# KiCad board RUST_Motherboard.kicad_pcb (continued)
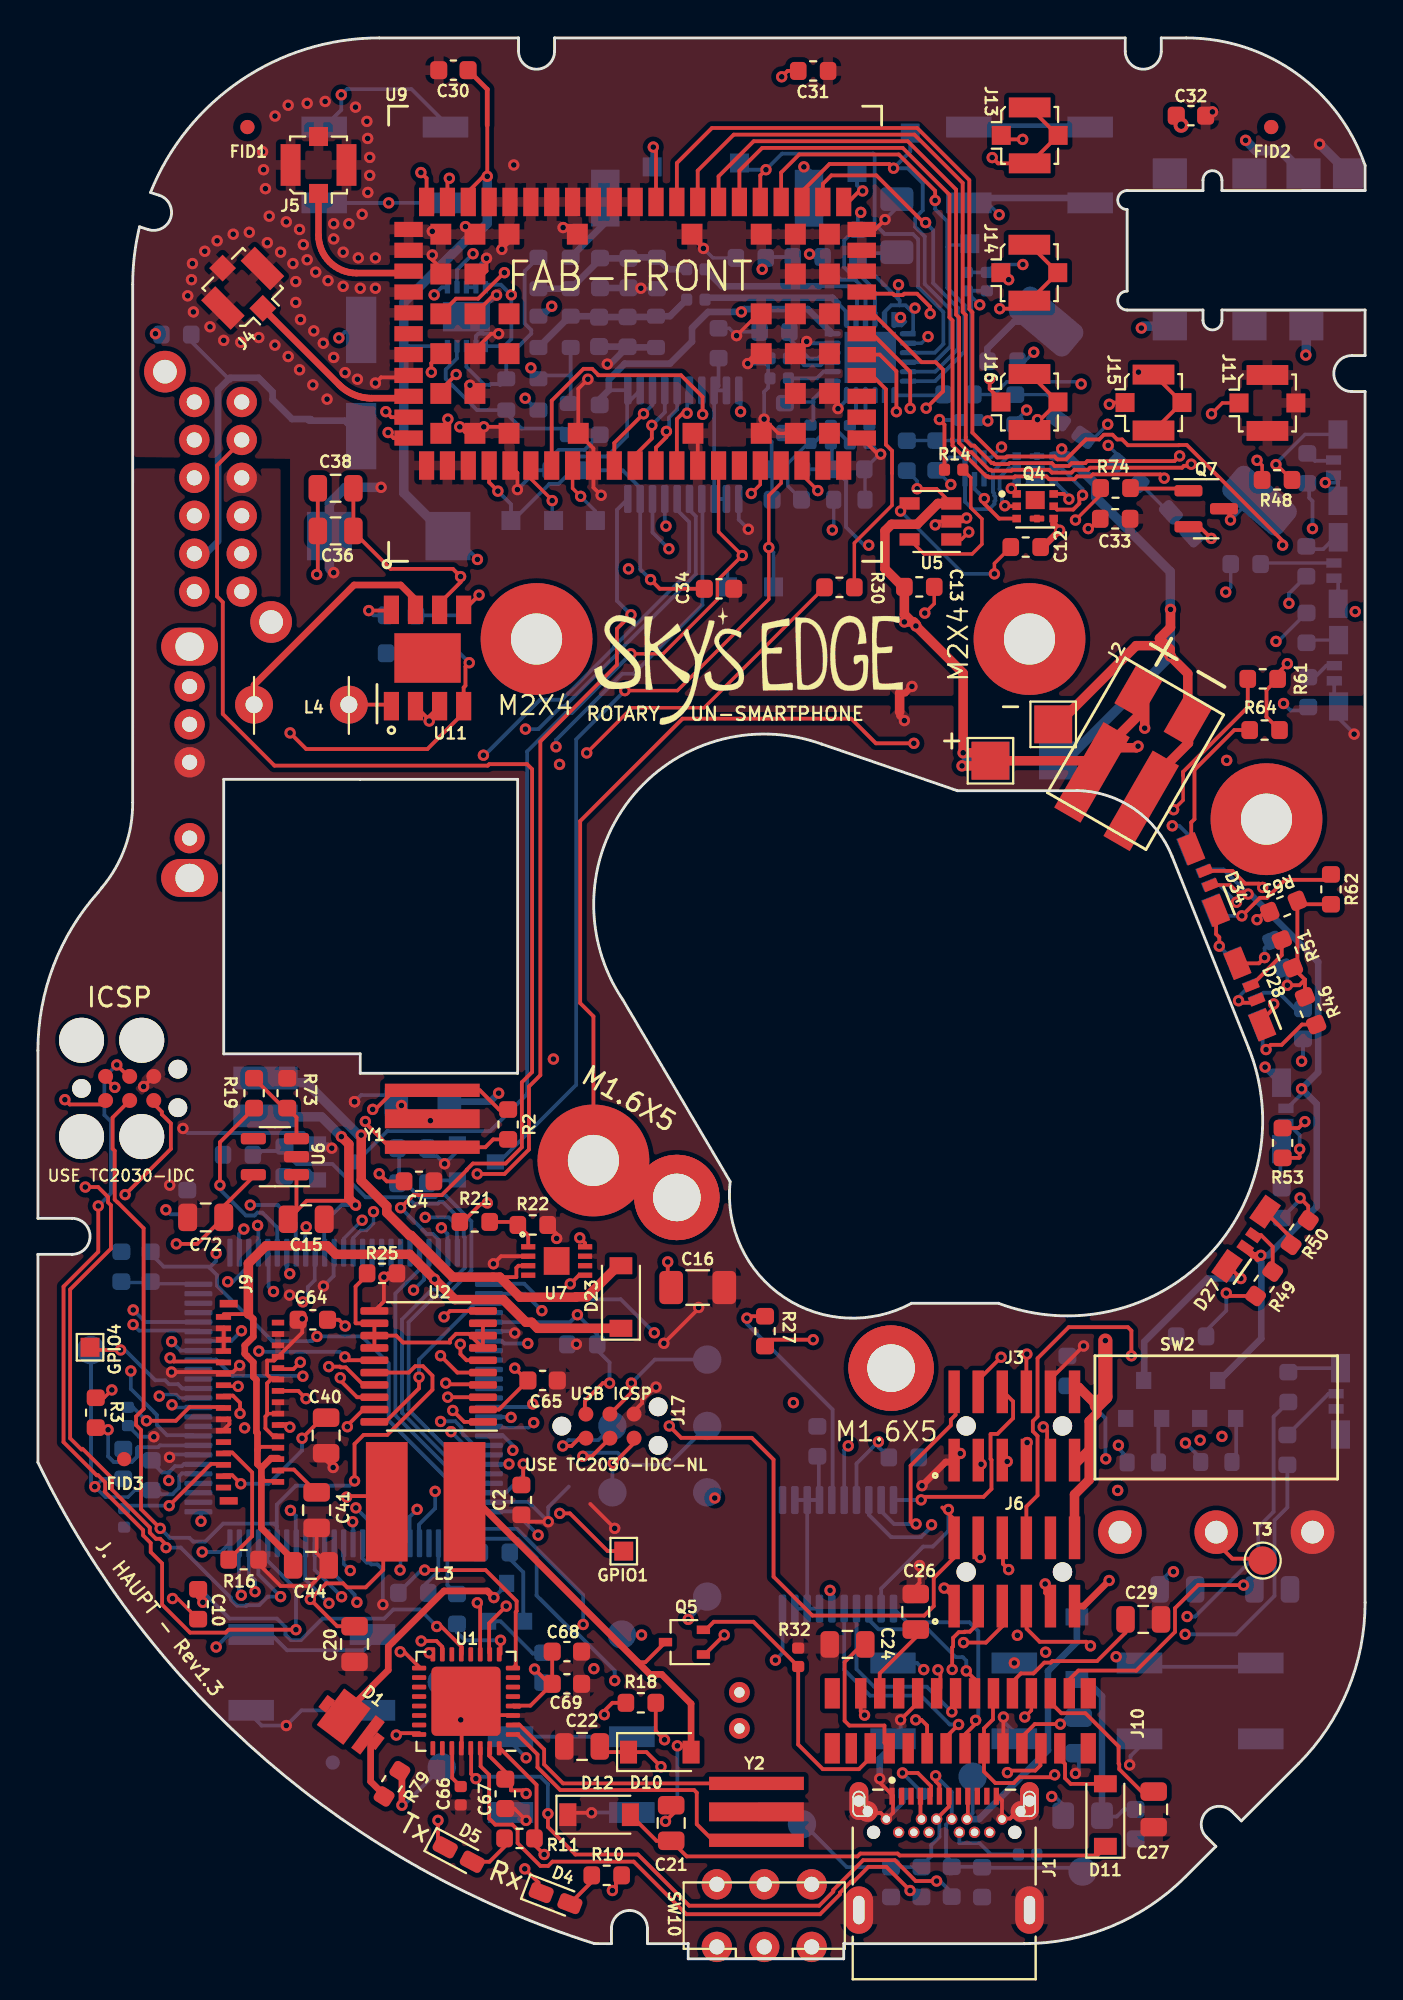
[diagram p0: board, top side]
## Routing (per net, layer and track width the routed paths; a pad name or vN(x,y) marks a point on that pad's centre or on a via; arc(x,y) is an arc through that point) (continued)
+3V3: length 113.7
  L1_GND+GNDA.Cu w0.2: 49.9,11.15 49.9,12.15 50.37,12.62 50.37,14.07 ; 48.35,23.15 47.7,23.8 ; v1(5.73,28.37) 7.28,28.37 8,29.1 9.8,29.1 ; 18.21,24.71 18.21,20.52 17.29,19.59 16.31,19.59 16.1,19.8 15.21,19.8 v1(14.37,18.96) 15.79,17.54 C20.2 ; v1(16.28,24.35) 16.33,24.4 18.02,24.4 ; U2.2 24.31,28.96 C65.1 ; 49.9,11.17 49.9,9.87 50.5,9.27 51.47,9.27 51.78,9.58 53.5,9.58 v1(53.62,9.7) ; v1(7.3,37.7) 8.4,37.7 C72.1 ; v1(13.29,28.04) 13.12,28.2 12.67,28.2 ; v1(33.3,28.1) 33.92,27.47 37.65,27.47 38.8,26.32 38.8,20.15 40.85,18.1 46.75,18.1 47.25,18.6 47.25,20.08 48.33,21.16 48.33,22.44 ; 9.8,39.69 11.36,41.25 ; 25.8,30.5 v1(25.15,31.15)
  L3_3v8+GNDA.Cu w0.2: v1(53.62,9.7) 53.62,10.4 53,11.02 53,16.02 v1(53.15,16.17)
  L4_GND.Cu w0.2: v1(39.85,29.33) 38.62,28.1 v1(33.3,28.1)
  L5_3v8.Cu w0.2: v1(10.9,28) 11.05,28.15 13.17,28.15 v1(13.29,28.04) ; v1(56.32,26.36) 56.3,26.39 51.8,26.39 51.4,26.79 50.87,26.79 50.29,26.21 50.29,25.85 48.13,23.69 v1(48.02,23.69) 48.11,23.69 50.43,21.38 50.43,17.42 51.7,16.15 53.13,16.15 v1(53.15,16.17)
  L6_GND.Cu w0.2: C43.2 5.01,29.08 v1(5.73,28.37) ; v1(56.32,26.36) 56.3,26.39 56.3,28.52 54.3,30.52 ; v1(48.02,23.69) 48.02,22.56 47.2,21.74 46.69,21.74 44.48,19.53 U8.2
+3V8: length 166
  L1_GND+GNDA.Cu w0.18: v1(55.4,75.42) 55.52,75.42 C33.1
  L1_GND+GNDA.Cu w0.2: v1(65.9,51.34) 66.54,51.34 66.83,51.63 ; v1(16.75,39.75) 16.8,39.7 16.52,39.97 14.17,39.97 C15.1 13.64,39.44 13.64,41.25 ; 66.83,51.63 R51.2 ; 66.83,51.63 R46.2 ; v1(16.2,33.37) 15.88,33.7 C64.1 ; 33.22,35.78 v1(33.22,36.75) ; 30.48,4.4 30.48,3.78 v1(30.3,3.6) ; 25.4,13.35 25.4,13.3 25.12,13.3 25.08,13.35 25.98,13.35 C69.1 C68.1 ; v1(66.83,44.15) 66.49,43.81 R53.2 ; v1(21.7,93.9) 21.6,93.8 U9.52 ; v1(32.31,72.73) 32.8,72.25 C34.1 ; v1(18,41.4) 18.4,41 C4.1 ; v1(28.08,35.59) 28.54,36.05 U7.5 ; 26.3,6.5 26.3,9.17 24.35,11.12 ; 22.7,93.2 23.5,94 v1(23.7,94) 23.7,96.7 ; R18.2 32.59,12.01 v1(33.05,11.55) ; C31.1 39.54,99.56 v1(39.23,99.25) ; R64.2 64.8,65.49 64.8,66.91 R61.2 ; v1(30.15,30.36) 29.8,30.36 28.85,29.41 28.85,28.75 ; v1(66.57,40.12) 67,39.7 R50.2 ; R62.2 66.61,55.61 ; R49.2 62.83,34.95 v1(62.68,35.11) ; 65.39,67.79 v1(65.9,68.3) ; 17.17,28.96 16.32,28.12 v1(16.32,28.06) ; v1(46.32,22.93) 46.15,22.93 46.03,23.05 46.03,26.01 48.15,28.13 48.15,28.44 48.4,28.68 48.4,30.02 ; v1(40.89,32.65) 38.69,32.65 R27.1 ; U9.53 20.5,93.9 v1(20.2,94.2) ; R63.2 66.43,52.5 ; v1(26.19,15.28) 26.98,14.5 ; 3.57,46.44 v1(4.05,45.96) ; 26.1,6.1 v1(26.7,5.5)
  L1_GND+GNDA.Cu w0.25: C30.1 23.7,98.59 23.7,96.7 ; v2(60.3,96.7) 60.33,96.73 60.33,97.2
  L1_GND+GNDA.Cu w0.35: 19.2,9.79 v1(19.2,8.1)
  L1_GND+GNDA.Cu w0.5: 16.8,39.7 16.4,40.1 16.4,42.96 v1(16.01,43.36)
  L4_GND.Cu w0.2: v1(26.38,22.34) 26.38,15.72 26.19,15.53 v1(26.19,15.28)
  L5_3v8.Cu w0.2: v1(49.75,26.08) 49.63,26.08 47.3,23.75 47.3,23.51 47.68,23.13 47.68,22.6 47.4,22.31 46.93,22.31 v1(46.32,22.93)
  L6_GND.Cu w0.18: R15.2 52.05,84.25 v1(52.52,84.72)
  L6_GND.Cu w0.2: v1(19.2,8.1) 19.3,8.1 3V8.1 ; v1(6.75,39.5) 6.98,39.27 7.88,39.27 ; 6.9,25.65 7.23,25.98 7.59,25.98 7.71,26.1 8.4,26.1 ; 6.9,25.65 6.55,25.65 5.9,26.3 ; 6.9,25.65 v1(6.9,25.22) ; 15.1,37.25 15.1,38.83 16.02,39.75 v1(16.75,39.75) ; 29.5,32.1 30.15,31.45 v1(30.15,30.36) ; 23.75,23.6 25.13,23.6 v1(26.38,22.34) ; U4.80 28.06,33.57 v1(28.46,33.97) 29.5,32.92 C6.1 ; 65.9,52.04 v1(65.9,51.34) ; 17.6,21.95 17.6,22.95 v1(16.77,23.78) ; U13.10 19.55,85.05 19.3,84.8 ; 22.02,74.98 23.18,73.82 v1(23.18,73.8) ; R45.2 66.73,47.41 v1(66.65,47.34) ; 44.48,23.61 45.16,22.93 v1(46.32,22.93) ; v1(26.19,15.28) 26.19,15.02 C3.1 ; C42.1 30.83,78.5 31.77,77.57 ; v1(66.57,40.12) 66.57,40.04 R54.2 ; v1(32.31,72.73) 31.77,73.28 U10.19 ; 61.61,33.12 62.68,34.18 v1(62.68,35.11)
  L6_GND.Cu w0.5: 12,44.4 14.96,44.4 v1(16.01,43.36) ; 21.62,74.98 19.3,77.3 19.3,87.35 22.6,90.65 22.84,90.65 23.7,91.51 v1(23.7,94)
  vias: v1(56.95,24.7)
+12V: length 107.9
  L1_GND+GNDA.Cu w0.2: 21.18,71.49 22.29,72.6 v1(22.29,72.89) 21.89,73.3 18.6,73.3 16.65,75.25 ; 9.8,34 11.1,34 ; U11.2 20.64,65.34 ; 12.67,25.2 11.97,25.2 11.79,25.39 ; 11.58,26.82 11.76,27 12.67,27 ; C38.2 16.64,75.16 ; v1(20.64,65.28) 20.64,65.51 U11.3 ; v1(23.7,39.86) 23.63,39.78 23.33,39.78 22.41,38.86
  L1_GND+GNDA.Cu w0.35: 12.67,26.4 12.3,26.4 11.79,25.89 ; 11.79,25.89 11.58,26.09 11.58,27.72 11.53,27.78 11.53,30.53 11.36,30.69 11.36,31.46 11.03,31.79 11.03,31.79 10.91,31.91 10.91,32.35 11.36,32.8 11.36,33.74 11.1,34 ; 11.79,25.89 11.79,22.71 13.5,21
  L1_GND+GNDA.Cu w0.5: D23.1 26.35,33.25 26.04,33.57 25.74,33.57 24.55,34.77 22,34.77 v1(20.92,35.84) 19.61,37.15 15.71,37.15 15.26,37.6 12.03,37.6 11.1,36.67 11.1,34
  L2_3v3+GNDA.Cu w0.35: v1(20.92,35.84) 20.96,35.84 23.7,38.59 v1(23.7,39.86) ; v1(20.64,65.28) 20.84,65.48 25.97,65.48 26.34,65.11 26.34,46.79 25.2,45.65 v1(24.3,45.65)
  L3_3v8+GNDA.Cu w0.35: v1(24.3,45.65) 24.3,40.46 v1(23.7,39.86)
  L5_3v8.Cu w0.2: 21.55,71.3 21.55,72.15 v1(22.29,72.89) ; v1(20.64,65.28) 20.48,65.28 20.3,65.1
  L5_3v8.Cu w0.35: 21.55,71.3 20.26,70.01 20.26,65.14 20.3,65.1
  L6_GND.Cu w0.35: v1(24.3,45.65) 23.85,45.2 C17.1
/3v3_EN: length 10.3
  L1_GND+GNDA.Cu w0.2: v1(9.6,40.8) 9.6,43.06 R19.2
  L6_GND.Cu w0.2: v1(9.6,40.8) 9.6,40.57 10.97,39.2 11.43,39.2 11.58,39.35 11.84,39.35 12.62,38.56 U4.56
/12v_EN: length 19.2
  L1_GND+GNDA.Cu w0.2: U7.8 28.86,37.74 v1(28.58,38.02)
  L3_3v8+GNDA.Cu w0.2: v1(28.58,38.02) 28.4,38.02 27.51,38.91 23.45,38.91 22.71,39.65 20.13,39.65 19.89,39.41 19.89,39.34 17.65,37.1 14.34,37.1 13.35,36.11 13.3,36.11 v1(13.28,36.13)
  L6_GND.Cu w0.2: v1(13.28,36.13) 13.12,36.29 U4.57
/EPAPER DRIVER/VDD: length 7.8
  L1_GND+GNDA.Cu w0.2: 51.37,14.57 51.85,15.05 52.51,15.05 53.08,15.62 53.41,15.62 53.49,15.7 55.86,15.7 57.36,17.2 C29.1
GND: length 171.8
  L1_GND+GNDA.Cu w0.18: C13.1 47.27,71.47 v1(46.78,70.97) ; J9.14 12.15,28.75 12.09,28.69 ; v1(18.25,35.95) 18.45,36.15 R25.2 ; v1(48.98,75.98) 48.8,75.8 U5.2 47.51,75.8 v1(47.33,75.62)
  L1_GND+GNDA.Cu w0.2: v1(47.55,81.17) 47.81,80.91 R14.1 ; R22.2 27.36,38.23 v1(27.36,37.99) ; 10,28.5 10.1,28.4 10.1,28.2 9.8,27.9 ; v1(13.94,33.75) 13.94,33.03 12.46,31.55 12.09,31.55 12.09,30.81 12.3,30.6 12.67,30.6 ; 9.8,33.3 9.8,32.1 ; 12.67,30.62 12.36,30.62 12.09,30.35 12.09,28.69 12,28.6 12,27.97 12.38,27.6 12.6,27.6 ; C41.2 14.7,21.4 15.15,20.95 ; v1(45.5,12.6) 46.4,13.5 ; v1(7.05,30.94) 10.29,30.94 v1(10.64,31.29) ; 15.3,20.6 14.36,19.66 12.8,19.66 11.64,20.82 ; 22.35,11.12 22.35,12.55 ; v1(29.2,7.7) 28.05,7.7 ; 44.3,7.69 44.3,7.69 44.45,7.69 44.75,7.39 ; 53.45,30.62 v1(55.15,32.32) ; C38.1 14.76,73.06 v1(14.7,73) ; 50.92,11.32 v1(50.92,12.75) ; v1(17.45,71.1) 18.61,71.1 ; 46.3,19.62 46.5,19.82 v1(46.5,20.74) ; 15.2,26.28 v1(15.57,25.91) ; v1(24.03,36.65) 24.43,37.05 U7.2 ; 19.87,44.3 v1(19.17,45) ; v1(18.25,35.95) 18.25,34.67 U2.11 ; 61.27,75.52 v1(61.89,74.91) ; v1(48.65,26.65) 48.65,26.62 J3.1 ; v1(30.42,22.7) 29.13,23.99 ; 25.08,12.85 24,12.85 ; v1(26.92,23.05) 25.86,23.05 C2.2 ; v1(44.4,9.5) 44.4,9.3 45.1,8.6 45.1,7.7 44.8,7.4 ; v1(34.85,34.35) 34.85,34.29 v1(33.02,32.46) ; v1(32.6,30.15) 32.55,30.15 31.87,29.47 31.87,29.3 31.44,28.88 ; v1(47.8,19.55) 48.33,19.02 ; 50.55,8.65 50.85,8.35 50.85,7.39 51.27,7.39 51.38,7.5 51.38,7.5 ; v1(25.75,7.3) 25.14,7.91 24.95,7.91 ; J7.6 v1(5.58,46)
  L1_GND+GNDA.Cu w0.35: NT2.1 45.45,65.55 v1(45.7,65.3) ; 53.01,74.45 v1(53.89,75.34) 53.58,75.65 Q4.4 ; 48.3,26.2 47.88,26.2 v1(46.63,24.95)
  L2_3v3+GNDA.Cu w0.2: v1(7.65,43.79) 7.26,43.79 5.58,45.48 v1(5.58,46)
  L3_3v8+GNDA.Cu w0.2: v1(20.7,44.2) 21.45,43.45 v1(21.45,41.92)
  L4_GND.Cu w0.18: v1(13.27,35) 14.7,36.43 14.7,43.2 v1(16.7,45.2)
  L6_GND.Cu w0.18: v1(51.95,89.35) 50.46,89.35 C59.2
  L6_GND.Cu w0.2: C58.2 50.02,88.93 ; SW8.2 13.9,13.1 v1(13.1,12.3) 11.8,12.3 11.2,12.9 ; v1(67.9,77.85) 68.57,77.85 68.58,77.86 ; 15.2,96.7 16,97.5 v1(16,98.3) 16.3,98.6 19.7,98.6 21.7,96.6 ; 68.35,78.15 68.58,77.92 68.58,76.85 ; 14.35,43.2 14,43.55 7.89,43.55 v1(7.65,43.79) ; v1(47.55,81.17) 47.58,81.15 R13.1 ; v1(6.11,27.53) 5.33,27.53 C43.1 ; 45.75,86.34 45.55,86.14 U12.12 ; v1(22.3,12.6) 22.3,13.6 GND1.1 ; 44.8,7.4 45.67,8.26 R5.2 ; 54.3,31.48 55.13,32.32 v1(55.15,32.32) 55.15,32.1 ; 20.36,42.32 21.05,42.32 v1(21.45,41.92) 22.12,42.6 22.12,42.95 ; 58.1,11.17 57.63,10.69 57.63,10.27 v1(57.58,10.23) ; v1(54.72,9.78) 54.9,9.95 C25.2 ; 28,24.9 26.92,23.82 v1(26.92,23.05) 25.87,24.1 23.75,24.1 ; 68.37,67.4 68.37,66.33 ; v1(16.7,45.2) 17.05,45.55 18.55,45.55 ; v1(15.06,35.48) 15.6,36.01 15.6,37.2 ; v1(45.49,86.56) 45.49,86.39 45.24,86.14 ; v1(15.87,85.48) 16.19,85.8 17.05,85.8 ; 23.8,17.8 24.4,17.8 26.1,16.1 26.85,16.1 ; v1(45.5,12.6) 45.5,12 ; v1(25.15,33) 25.05,33.1 23.75,33.1 ; 8.5,26.6 7.09,26.6 v1(6.94,26.45) ; 68.6,65.42 69.42,64.6 v1(69.42,64.59) ; 51.5,11.94 50.92,12.52 v1(50.92,12.75) ; 68.58,71.45 68.58,72.72 ; 17.1,21.95 17.1,21.14 17.35,20.89 17.49,20.89 17.58,20.8 17.91,20.8 18.2,20.51 v1(18.2,18.68) ; v1(29.2,7.7) 29.21,7.71 SW5.2 ; R24.2 17.7,70.85 v1(17.45,71.1) ; v1(15.5,42.75) 15.3,42.95 14.75,42.95 ; 61.01,74.91 v1(61.89,74.91) ; 28.27,32.27 v1(28.4,32.41)
  L6_GND.Cu w0.25: 55.62,96.68 48.98,96.68
  L6_GND.Cu w0.35: v1(44.4,9.5) 44.4,10.55 44.9,11.05
  vias: v1(6.95,40.8) v1(69.48,71.05)
GNDA: length 82.4
  L1_GND+GNDA.Cu w0.18: 38,86.75 v1(36.85,85.6) ; v1(38.3,81.2) 39.05,80.45 U9.85
  L1_GND+GNDA.Cu w0.2: U9.74 24.04,87.74 v1(24.19,87.74) ; U9.14 34.8,80.2 ; 24.85,90.53 v1(24.47,90.15) ; 23.05,84.85 23.9,85.7 v1(24.3,85.7) ; v1(35.1,90.2) 34.5,90.8 ; 21.25,89.15 20.8,89.6 v1(20.8,89.85) ; 38.2,80.5 38.2,81.1 v1(38.3,81.2) ; v1(23.66,89.68) 23.66,89.01 23.5,88.85 ; 23,80.5 22.54,80.5 v1(22.25,80.79) ; v1(37.44,84.13) 37.44,84.24 37.85,84.65 ; v1(42.2,81.75) 42.2,82.1 ; 19.3,83.4 18.1,83.4 v1(17.8,83.1) ; v1(44.68,91.72) 44.16,91.2 U9.32 ; v1(27.7,91.3) 28.1,91.3 ; v1(44.45,79.35) 44.3,79.35 U9.22 ; v1(29.01,83.3) 28.5,82.8 U9.79 29.3,79.65 U9.9 29.3,77.59 v1(29.71,77.18) ; v1(25.29,77.48) 25.29,78.36 U9.5 ; 17.5,95.89 v1(17.39,96) ; 24.79,80.79 v1(23.52,80.79) ; 15.05,85 v1(15.05,85.2) ; v1(22.55,91.35) 22.95,90.95
  L1_GND+GNDA.Cu w0.35: NT2.2 45.75,66.75 v1(46.1,67.1) ; 61.75,97.2 v1(61.95,97.4)
  L3_3v8+GNDA.Cu w0.2: v1(22.25,80.79) 22.34,80.7 22.6,80.7
  L6_GND.Cu w0.18: C54.2 37.05,85.8 v1(36.85,85.6) 36.46,85.99 R33.2 ; C47.2 44.39,79.35 v1(44.45,79.35) ; C56.2 35.6,89.7 v1(35.1,90.2) ; R35.2 43.62,78.51 ; C49.2 38.73,78.52 ; 39.04,80.46 v1(38.3,81.2)
  L6_GND.Cu w0.2: 42.65,82.2 v1(42.2,81.75) ; D16.2 38.7,80 38.3,80.4 v1(38.3,81.2) 38.3,82.64 38.52,82.85 38.52,84 38.39,84.13 v1(37.44,84.13) ; v1(44.68,91.72) 45.3,92.34 ; U13.3 U13.4 23.1,89.12 v1(23.66,89.68) ; v1(44.45,79.35) 44.42,79.35 C51.2 ; 36.96,76.99 36.96,75.89 v1(37.47,75.39) ; C39.2 28.83,79.57 27.46,79.57 27.04,79.15 C42.2 26.31,78.5 v1(25.29,77.48) ; 23.5,85.7 U13.11 ; D18.2 31.83,88.07 v1(31.8,88.1) 31.77,88.12 C61.2 ; v1(40.55,85.29) 40.64,85.2 U12.5 ; U13.7 23.1,85.57 23.23,85.7 v1(24.3,85.7) ; v1(24.19,87.74) 23.05,86.6
  L6_GND.Cu w0.35: C60.2 31.09,85.02 ; v1(30.03,84.1) 30.19,84.1 C62.2 ; D17.2 31.14,84.97 ; C63.2 31.14,88.11
  L6_GND.Cu w0.5: 69.2,94.1 v1(67.6,95.7) ; v1(15.6,73.1) 15.38,73.32 15.38,76.75 16.22,77.6 v1(18.1,77.6)
  vias: v1(7.9,87.7) v1(8.15,89.4) v1(8.1,88.55) v1(8.2,86.85) v1(8.8,90.05) v1(9.08,86.07) v1(9.45,90.6) v1(9.8,85.35) v1(10.3,90.95) v1(10.7,85.25) v1(11.15,91.05) v1(11.65,85.5) v1(11.85,95.3) v1(11.9,94.35) v1(12,93.35) v1(12.1,90.5) v1(12.2,91.9) v1(12.51,97.18) v1(12.5,85.1) v1(12.8,90) v1(13.1,91.6) v1(13.2,97.75) v1(13.2,84.5) v1(13.45,89.4) v1(13.6,88.45) v1(13.6,87.35) v1(13.8,91.2) v1(13.85,86.45) v1(13.8,83.8) v1(14,90.4) v1(14.2,97.85) v1(14.2,89.6) v1(14.55,85.85) v1(14.5,83) v1(14.65,88.95) v1(15.15,97.95) v1(15.3,88.5) v1(15.25,82.25) v1(15.6,91.5) v1(15.6,90.7) v1(15.6,84.45) v1(16.1,90) v1(16.1,88.2) v1(16.2,83.65) v1(16.4,91.5) v1(16.75,97.65) v1(16.9,89.7) v1(16.85,83.3) v1(17,88.1) v1(17.1,92) v1(17.35,96.9) v1(17.4,93.15) v1(17.5,95) v1(17.5,94.05) v1(17.8,89.7) v1(17.8,88.1) v1(20.8,91.1) v1(22.79,82.99) v1(25.1,94.6)
VBUS: length 146.2
  L1_GND+GNDA.Cu w0.18: v1(50.45,73.04) 50.45,73.59 C12.1 ; 45.9,76.75 v1(45.5,76.35)
  L1_GND+GNDA.Cu w0.2: v1(25.75,8.71) 25.58,8.88 24.95,8.88 24.95,9.56 23.8,10.71 23.8,11.1 ; v1(48.22,15.26) 48.22,16.42 48.27,16.47 48.27,16.93 48.57,17.22 48.87,17.22 48.87,17.25 49.15,17.25 49.59,17.69
  L2_3v3+GNDA.Cu w0.2: v1(25.75,8.71) 30.61,8.71 32.58,10.68 34.52,10.68 34.53,10.7 39.08,10.7 41.78,13.4 45.06,13.4 45.43,13.77 46.89,13.77 48.4,15.27
  L3_3v8+GNDA.Cu w0.35: v1(53.47,8.56) 53.47,8.93 51.48,10.92 48.12,10.92 47.45,11.6 47.45,13.82 48.22,14.6 v1(48.22,15.26) 48.22,16.39 48.2,16.42 48.2,16.96 48.29,17.05 48.29,18.22 50.45,20.38 50.45,21.5 52.48,23.53 52.55,23.53 56.75,27.72 57.88,27.72 58.12,27.96 58.14,27.96 68.13,37.95 68.13,63.8 67.53,64.4 67.53,70.82 65.31,73.04 v1(50.45,73.04)
  L5_3v8.Cu w0.18: v1(52.15,81.67) 52.15,74.74 v1(50.45,73.04)
  L6_GND.Cu w0.18: 51.55,81.07 v1(52.15,81.67) ; v1(45.5,76.35) 45.5,76.34 48.81,73.04 v1(50.45,73.04)
  L6_GND.Cu w0.2: 54.08,8.12 53.63,8.56 v1(53.47,8.56)
+BATT: length 144.4
  L1_GND+GNDA.Cu w0.18: v1(46.37,77.52) 47.4,77.52 U5.3
  L1_GND+GNDA.Cu w0.5: 54.67,22.44 54.67,24.49 55.45,25.26 55.45,28.35 55.85,28.75 55.85,29.19 54.9,30.13 54.67,30.13 ; v1(58.02,63.95) 57.94,63.87 56.34,63.87 ; v1(58.37,64.9) 58.37,66.48 ; TP2.1 55.66,63.18 56.34,63.87 ; v1(46.31,70.29) 45.7,70.9 C13.2 ; v1(46.31,70.29) 48.8,67.8 v1(48.8,63.6) 49.82,63.6 ; v1(46.31,70.29) 46.31,70.39 46.2,70.5 v1(45.7,70.5) ; 45.62,72.35 44.67,73.3 44.67,75.3 45.03,75.65 46.37,75.65 47.47,76.75 U5.3 ; 56.34,63.87 58.04,65.57 J2.2 ; v1(48.74,62.91) 49.97,62.91 ; 54.67,26.06 55.45,26.84
  L1_GND+GNDA.Cu w0.75: v1(56.3,32.6) 56.3,29.64 55.85,29.19
  L2_3v3+GNDA.Cu w0.5: 8.7,80.05 9.5,80.85 9.5,82.7 10.1,83.3 11.25,83.3 20.05,74.5 28.7,74.5 32.7,70.5 v1(45.7,70.5) 46.1,70.5 v1(46.31,70.29)
  L5_3v8.Cu w0.5: 58.4,64.72 58.4,64.88 v1(58.37,64.9)
  L5_3v8.Cu w0.75: v1(56.3,32.6) 56.33,32.62 61.45,32.62 67.65,38.82 67.65,51.25 65.1,53.8 63.5,53.8 62.1,55.2 62.1,56.6 60.9,57.8 60.9,62.07 59.02,63.95 v1(58.02,63.95) 58.02,64.35 58.4,64.72
  L6_GND.Cu w0.18: R12.1 46.37,77.94 v1(46.37,77.52)
  L6_GND.Cu w0.5: TP4.1 49.02,63.19 v1(48.74,62.91) ; v1(48.8,63.6) 49.84,63.6
/AREF: length 3.8
  L1_GND+GNDA.Cu w0.2: 25.6,25.08 v1(25.6,26.09)
  L6_GND.Cu w0.2: v1(25.6,26.09) 25.6,25.5 24.7,24.6 23.75,24.6
/AUDIO/BLCK: length 25.1
  L1_GND+GNDA.Cu w0.2: U9.36 39.2,94.2 40.15,95.15 45.41,95.15 47.32,93.23 v1(47.32,92.73)
  L6_GND.Cu w0.18: 47.96,90.29 48.04,90.38 49.15,90.38
  L6_GND.Cu w0.2: U12.18 47.32,83.2 48.87,84.75 48.87,87.21 47.96,88.12 47.96,91.64 47.32,92.27 v1(47.32,92.73)
/AUDIO/LRCLK: length 18.4
  L1_GND+GNDA.Cu w0.2: v1(46.82,91.56) 46.71,91.56 44.22,94.05 41.85,94.05 41.4,93.6 U9.34
  L6_GND.Cu w0.2: U12.17 47.33,83.7 48.52,84.9 48.52,87.07 47.22,88.37 47.22,91.16 v1(46.82,91.56)
/AUDIO/MCLK: length 13.7
  L1_GND+GNDA.Cu w0.18: v1(41.13,77.43) 40.3,78.26
  L3_3v8+GNDA.Cu w0.18: v1(46.95,85.55) 40.52,79.12 40.52,78.04 v1(41.13,77.43)
  L6_GND.Cu w0.18: v1(46.95,85.55) 46.6,85.2 U12.14
/AUDIO/SCL: length 23.4
  L1_GND+GNDA.Cu w0.2: 44,85.7 46.01,83.69 v1(46.01,81.76)
  L4_GND.Cu w0.2: v1(43.4,92.1) 43.4,84.37 v1(46.01,81.76)
  L6_GND.Cu w0.2: R37.2 43.25,91.95 v1(43.4,92.1) ; 43.1,91.2 42.53,90.63 42.53,89.2 42.83,88.9 43.24,88.9 43.97,88.17 43.97,88.05 44.15,87.87 U12.10
/AUDIO/SDA: length 20
  L1_GND+GNDA.Cu w0.2: U9.26 44.4,84.6 45.28,83.72 v1(45.28,81.59)
  L4_GND.Cu w0.2: v1(45.28,81.59) 45.04,81.59 40.7,85.93 v1(40.7,89.9)
  L6_GND.Cu w0.2: R36.2 40.85,89.75 v1(40.7,89.9) ; U12.9 43.65,87.88 43.62,87.9 43.62,88.03 43.15,88.5 43.1,88.55 42.35,88.55 41.7,89.2 ; 41.68,89.2 41.68,89.51
/AUDIO/SDIN: length 22
  L1_GND+GNDA.Cu w0.2: 40.3,93.2 41.75,94.65 44.91,94.65 v1(45.13,94.43)
  L6_GND.Cu w0.2: U12.16 47.29,84.2 48.13,85.04 48.13,86.96 46.77,88.32 46.77,90.83 46.27,91.33 46.27,91.79 46.4,91.92 46.4,91.94 46.67,92.21 46.67,93.63 45.87,94.43 v1(45.13,94.43) 46.01,95.31 T11.1
/AUDIO/SDOUT: length 23.7
  L1_GND+GNDA.Cu w0.2: U9.37 38.1,94.05 v1(38.4,94.35)
  L6_GND.Cu w0.2: 37.35,94.35 v1(38.4,94.35) 39.25,95.2 44.06,95.2 44.13,95.13 44.13,91.49 44.66,90.96 46.15,90.96 46.42,90.69 46.42,88.18 47.76,86.84 47.76,85.16 47.3,84.7 U12.15
/AUDIO/SPK+: length 18.9
  L2_3v3+GNDA.Cu w0.5: v1(40.4,94.5) 33.05,87.15 v1(27.1,87.15)
  L6_GND.Cu w0.35: 26.58,86.62 v1(27.1,87.15) ; LS1.1 40.67,94.22 v1(40.4,94.5)
/AUDIO/SPK-: length 2.6
  L6_GND.Cu w0.35: R72.1 29.92,91.55
/AUDIOAMP_EN: length 67.9
  L4_GND.Cu w0.2: v1(25.84,32.45) 25.75,32.54 25.75,45.33 26.58,46.16 26.58,60.18 28.98,62.58 29.17,62.58 30.4,63.81 30.4,72.55 v1(31.15,73.3)
  L5_3v8.Cu w0.2: v1(31.15,73.3) 31.15,80.38 25.78,85.75 25.78,86.94 v1(24.97,87.75)
  L6_GND.Cu w0.2: U4.82 24.48,32.57 24.6,32.45 v1(25.84,32.45) ; 24.97,87.73 v1(24.97,87.75) ; 24.97,87.73 24.97,85.42 24.55,85 24.5,85.05 U13.6 ; 24.97,87.73 24.42,88.29 23.74,88.29 U13.5
/CELL MODEM/ANT1: length 7.8
  L1_GND+GNDA.Cu w0.35: 19.3,88.9 16.8,88.9 16.6,88.91 16.41,88.94 16.22,88.99 16.03,89.05 15.86,89.14 15.69,89.24 15.53,89.35 15.39,89.49 15.25,89.63 15.14,89.79 15.04,89.96 14.95,90.13 14.89,90.32 14.84,90.51 14.81,90.7 14.8,90.9 J5.1
/CELL MODEM/ANT2: length 9.3
  L1_GND+GNDA.Cu w0.35: 19.3,82.3 17.6,82.3 17.48,82.3 17.36,82.31 17.25,82.33 17.13,82.35 17.01,82.37 16.9,82.4 16.79,82.44 16.68,82.48 16.57,82.53 16.46,82.59 16.36,82.64 16.26,82.71 16.16,82.78 16.07,82.85 15.98,82.93 15.89,83.01 J4.1
/CELL MODEM/CTS_1v8: length 4.1
  L1_GND+GNDA.Cu w0.2: v1(32.38,80.87) 32.38,80.18 31.5,79.3
  L6_GND.Cu w0.2: 33.06,82.71 33.06,81.55 v1(32.38,80.87)
/CELL MODEM/DCD_1v8: length 3.4
  L1_GND+GNDA.Cu w0.18: v1(28.62,77.12) 28.2,77.55 U9.8
  L6_GND.Cu w0.18: v1(28.62,77.12) 29.4,76.35 T9.1
/CELL MODEM/DSR_1v8: length 3.3
  L1_GND+GNDA.Cu w0.18: v1(27.12,76.9) 27.15,76.9 26,78.05 U9.6
  L6_GND.Cu w0.18: v1(27.12,76.9) 27.12,75.92
/CELL MODEM/NETSTAT: length 12.4
  L1_GND+GNDA.Cu w0.18: R30.1 43.06,74.66 45.05,76.65 45.05,78.34
  L1_GND+GNDA.Cu w0.2: 44,83.5 44.73,82.77 44.73,79.85 45.05,79.53 45.05,78.34
/CELL MODEM/RI_1v8: length 14.8
  L1_GND+GNDA.Cu w0.2: v1(35.06,81.45) 35.06,82.37 33.92,83.51 29.56,83.51 29.56,83.53 29.23,83.85 28.78,83.85 27.1,82.17 U9.7
  L6_GND.Cu w0.2: v1(35.06,81.45) 35.06,82.67
/CELL MODEM/RTS_1v8: length 4.8
  L1_GND+GNDA.Cu w0.2: U9.10 30.4,79.94 v1(31.94,81.48)
  L6_GND.Cu w0.2: v1(31.94,81.48) 32.42,81.95 U10.3
/CELL MODEM/RXD_1v8: length 4.4
  L1_GND+GNDA.Cu w0.2: v1(34.24,81.51) 34.01,81.51 33.7,81.2 U9.13
  L6_GND.Cu w0.2: v1(34.24,81.51) 34.24,82.59 U10.6
/CELL MODEM/SDIO-CLK: length 37.5
  L1_GND+GNDA.Cu w0.2: U9.64 18.76,80.2 v1(18.47,80.49) ; 51.16,88.55 v1(51.2,88.55)
  L3_3v8+GNDA.Cu w0.2: v1(51.2,88.55) 46.28,88.55 45.94,88.21 45.94,88.06 45.62,87.74 45.16,87.74 45.09,87.81 32.47,87.81 28.86,84.2 28.63,84.2 26.18,81.75 19.73,81.75 v1(18.47,80.49)
/CELL MODEM/SDIO-CMD: length 37.8
  L1_GND+GNDA.Cu w0.2: 21.62,80.82 v1(21.62,81.2) ; v1(50.73,87.02) 51.86,87.02 ; 52.31,90.39 J14.2 52.31,87.44
  L3_3v8+GNDA.Cu w0.2: v1(21.62,81.2) 21.76,81.34 26.27,81.34 28.78,83.85 29,83.85 32.57,87.41 44.99,87.41 45.02,87.39 45.76,87.39 45.98,87.6 49.28,87.6 49.45,87.77 49.9,87.77 50.14,87.54 50.21,87.54 v1(50.73,87.02)
/CELL MODEM/SDIO-D0: length 39.2
  L1_GND+GNDA.Cu w0.2: 21.25,82.74 v1(22.06,83.55) ; v1(51.94,95.95) 51.02,95.95
  L3_3v8+GNDA.Cu w0.2: v1(51.94,95.95) 51.53,95.54 42.49,95.54 36.68,89.73 36.53,89.73 36.27,89.47 24.35,89.47 22.06,87.18 v1(22.06,83.55)
/CELL MODEM/SDIO-D1: length 38.8
  L1_GND+GNDA.Cu w0.2: v1(50.33,94.99) 50.64,94.69 J13.2 ; U9.68 22.05,87.55 23.22,87.55 24.59,88.92 v1(24.6,88.92) ; 52.33,94.69 J13.2 ; 53.79,96.16 J13.2
  L3_3v8+GNDA.Cu w0.2: v1(24.6,88.92) 36.33,88.92 36.79,89.38 36.82,89.38 42.43,94.99 v1(50.33,94.99)
/CELL MODEM/SDIO-D2: length 42.6
  L1_GND+GNDA.Cu w0.2: J15.1 56.6,82.07 v1(56.51,81.98) ; v1(18.35,81.59) 18.64,81.3 U9.63
  L4_GND.Cu w0.2: v1(18.35,81.59) 20.89,79.05 43.37,79.05 44.22,79.9 50.22,79.9 50.6,80.27 54.8,80.27 v1(56.51,81.98)
/CELL MODEM/SDIO-D3: length 49.1
  L1_GND+GNDA.Cu w0.2: v1(20.75,83.67) 20.75,84.15 U9.67 ; 58.86,83.54 J15.2 58.86,80.59
  L4_GND.Cu w0.2: v1(58.05,83.68) 53.17,83.68 51.33,81.83 51.33,81.5 50.38,80.55 44.38,80.55 43.23,79.4 21.35,79.4 20.06,80.69 20.06,82.98 v1(20.75,83.67)
/CELL MODEM/TXD_1v8: length 4.4
  L1_GND+GNDA.Cu w0.2: U9.12 32.6,79.7 33.15,80.25 v1(33.15,80.55)
  L6_GND.Cu w0.2: U10.5 33.71,81.71 33.29,81.29 33.29,80.69 v1(33.15,80.55)
/CELL MODEM/USB_D+: length 10.4
  L1_GND+GNDA.Cu w0.2: 50.8,82.19 50.2,82.79 v1(50.2,83.32) ; v1(47.06,86.76) 47.06,87.12 46.37,87.81 45.69,87.81 45.62,87.74 45.16,87.74 45.09,87.81 43.54,87.81
  L3_3v8+GNDA.Cu w0.2: v1(47.06,86.76) 47.24,86.76 50.2,83.8 v1(50.2,83.32)
/CELL MODEM/USB_D-: length 18.4
  L1_GND+GNDA.Cu w0.2: 44.01,86.8 46.61,84.2 47.35,84.2 47.74,83.81 47.74,82.66 v1(46.85,81.77) ; 52.33,83.57 J16.2 52.33,80.62 ; 52.3,80.75 v1(52.72,81.17)
  L3_3v8+GNDA.Cu w0.2: v1(52.72,81.17) 52.6,81.05 51.5,81.05 50.77,81.77 v1(46.85,81.77)
/CELL MODEM/VSUB_DET: length 29.4
  L1_GND+GNDA.Cu w0.18: U9.17 38.1,77.75 v1(37.62,77.27) ; v1(61.9,81.47) 62.48,82.05 J11.1
  L2_3v3+GNDA.Cu w0.18: v1(61.9,81.47) 59.02,81.47 57.9,80.35 40.7,80.35 v1(37.62,77.27)
/CELL_CTS: length 58.4
  L5_3v8.Cu w0.2: v1(33.13,75.55) 32.67,75.1 32.67,73.62 35.1,71.19 35.1,67.88 26.69,59.46 26.69,47.75 26.59,47.66 26.59,46.4 25.84,45.64 25.84,44.64 24.75,43.55 24.75,35.65 23.17,34.07 23.17,29.18 v1(21.79,27.8)
  L6_GND.Cu w0.2: 23.8,26.57 23.01,26.57 v1(21.79,27.8) ; v1(33.13,75.55) 33.06,75.61 33.06,76.99
/CELL_ON: length 30.3
  L6_GND.Cu w0.2: 13,42.6 11.8,42.6 11.65,42.45 ; 13.02,42.52 13.63,41.92 15.53,41.92 17.29,40.16 19.5,40.16 19.83,39.83 21.1,39.83 21.19,39.92 21.34,39.92 22.46,38.8 22.46,38.09 22.52,38.04 22.52,36.44 21.37,35.29 20.78,35.29 19.2,33.72 19.2,28.8 22.91,25.1 23.8,25.1
/CELL_PWR_DET: length 58.1
  L1_GND+GNDA.Cu w0.2: v1(31.28,70.88) 30.54,70.14 30.54,68.24 26.5,64.2 26.5,46.6 25.9,46 25.9,42.68 24.61,41.39 v1(23.17,41.39)
  L4_GND.Cu w0.2: v1(23.17,41.39) 24.27,40.29 24.27,38.07 23.4,37.2 23.4,27.54 v1(24.85,26.09)
  L6_GND.Cu w0.2: U4.95 24.83,26.07 v1(24.85,26.09) ; v1(31.28,70.88) 30.54,71.62 30.54,76.41 31.08,76.95
/CELL_RESET: length 23.6
  L6_GND.Cu w0.2: 19.42,41.02 19.05,41.4 19.05,42.8 ; 19.35,41.02 19.35,40.95 20.12,40.17 20.95,40.17 21.04,40.27 21.49,40.27 22.86,38.89 22.86,36.29 21.51,34.94 20.92,34.94 19.55,33.57 19.55,28.95 22.87,25.62 23.62,25.62
/CELL_RI: length 65.9
  L4_GND.Cu w0.2: v1(13.32,23.65) 12.09,24.87 12.09,31.12 15.86,34.89 15.86,35.56 20.9,40.6 20.9,42.15 23.85,45.1 24.53,45.1 25.88,46.45 25.88,62.47 v1(27.33,63.92)
  L6_GND.Cu w0.2: v1(13.32,23.65) 13.6,23.37 13.6,21.95 ; v1(27.33,63.92) 27.33,64.28 30.82,67.77 31.42,67.77 35.05,71.4 35.05,76.95
/CELL_RTS: length 62.2
  L5_3v8.Cu w0.18: 25.12,41.5 25.7,42.07 25.7,44.02 26.47,44.8 26.47,45.8 27.78,47.1 27.78,47.67 27.46,47.99 27.41,47.99 27.66,48.24
  L5_3v8.Cu w0.2: v1(21.24,28.34) 21.24,27.44 21.42,27.25 22.74,27.25 23.52,28.03 23.52,33.93 25.12,35.53 25.12,41.5 ; 27.66,48.24 27.66,59.94 35.45,67.73 35.45,72.19 v1(33.28,74.36)
  L6_GND.Cu w0.2: 23.73,27.1 23,27.1 22.34,27.76 22.34,28.03 22.02,28.35 21.25,28.35 v1(21.24,28.34) ; U10.18 32.42,75.22 v1(33.28,74.36)
/CELL_RXD: length 70.9
  L2_3v3+GNDA.Cu w0.2: v1(25.71,64.85) 24.96,64.1 10.55,64.1 5.7,59.25 5.7,51.45 8.4,48.75 8.4,37.91 5.25,34.77 4.8,34.77 4.48,34.45 4.48,33.99 v1(5.02,33.45)
  L6_GND.Cu w0.2: 8.5,33.13 5.34,33.13 v1(5.02,33.45) ; v1(25.71,64.85) 26.4,64.85 27.6,66.05 27.78,66.05 30.73,69 30.73,69.05 34.7,73.02 34.7,76.07 34.36,76.41
/CELL_TXD: length 69.2
  L2_3v3+GNDA.Cu w0.2: v1(23.5,63.47) 23.32,63.3 10.25,63.3 6.05,59.1 6.05,51.85 8.75,49.15 8.75,37.47 5.5,34.22 v1(5.03,34.22)
  L6_GND.Cu w0.2: v1(23.5,63.47) 23.56,63.47 26.49,66.4 27.64,66.4 30.38,69.14 30.38,69.19 34.35,73.16 34.35,75.77 33.71,76.41 ; v1(5.03,34.22) 5.66,33.58 8.5,33.58
/EPAPER DRIVER/EPD_CS_3v3: length 9.2
  L6_GND.Cu w0.2: U8.4 43.17,15.28 44.1,14.35 46.88,14.35 v1(48.2,13.02)
/EPAPER DRIVER/EPD_DC_3v3: length 11.4
  L1_GND+GNDA.Cu w0.2: 47.9,11.7 v1(48.56,12.36)
  L6_GND.Cu w0.2: U8.5 42.52,15.25 43.89,13.88 46.57,13.88 48.09,12.36 v1(48.56,12.36)
/EPAPER DRIVER/EPD_MOSI_3v3: length 7.9
  L1_GND+GNDA.Cu w0.2: J10.14 49.4,14.75 v1(48.97,15.18)
  L6_GND.Cu w0.2: 43.83,17.89 44.33,17.38 46.94,17.38 48.41,15.91 48.78,15.91 48.97,15.72 v1(48.97,15.18)
/EPAPER DRIVER/EPD_RES_3v3: length 10
  L1_GND+GNDA.Cu w0.2: 47.6,14.25 47.6,15.11 v1(47.47,15.24)
  L4_GND.Cu w0.2: v1(47.47,15.24) 47.47,16.11 44.15,19.43 v1(41.78,19.43)
  L6_GND.Cu w0.2: U8.6 41.87,19.34 v1(41.78,19.43)
/EPAPER DRIVER/EPD_SCK_3v3: length 10.7
  L1_GND+GNDA.Cu w0.2: 48.9,11.84 49.46,12.4 v1(49.46,12.58)
  L6_GND.Cu w0.2: v1(49.46,12.58) 49.6,12.72 49.6,17.28 49.13,17.75 45.84,17.75 45.12,18.47
/EPAPER DRIVER/GDR: length 12.2
  L1_GND+GNDA.Cu w0.2: 43.4,14.05 43.4,13.05 v1(43.6,12.85) ; 35.17,16.05 v1(36.2,17.08)
  L3_3v8+GNDA.Cu w0.2: v1(43.6,12.85) 41.15,12.85 39.7,14.3 38.5,14.3 36.2,16.6 v1(36.2,17.08)
/EPAPER DRIVER/PREVGH: length 24.9
  L1_GND+GNDA.Cu w0.2: 52.87,11.12 52.87,10.2 52.6,9.93 51.24,9.93 v1(51.14,9.82) ; 29.64,10.9 D10.1 32.09,10.9 v1(32.86,10.13)